# Altium PCB PCB-Tester-Board-V1.PcbDoc (part 4 of 7) (continued)
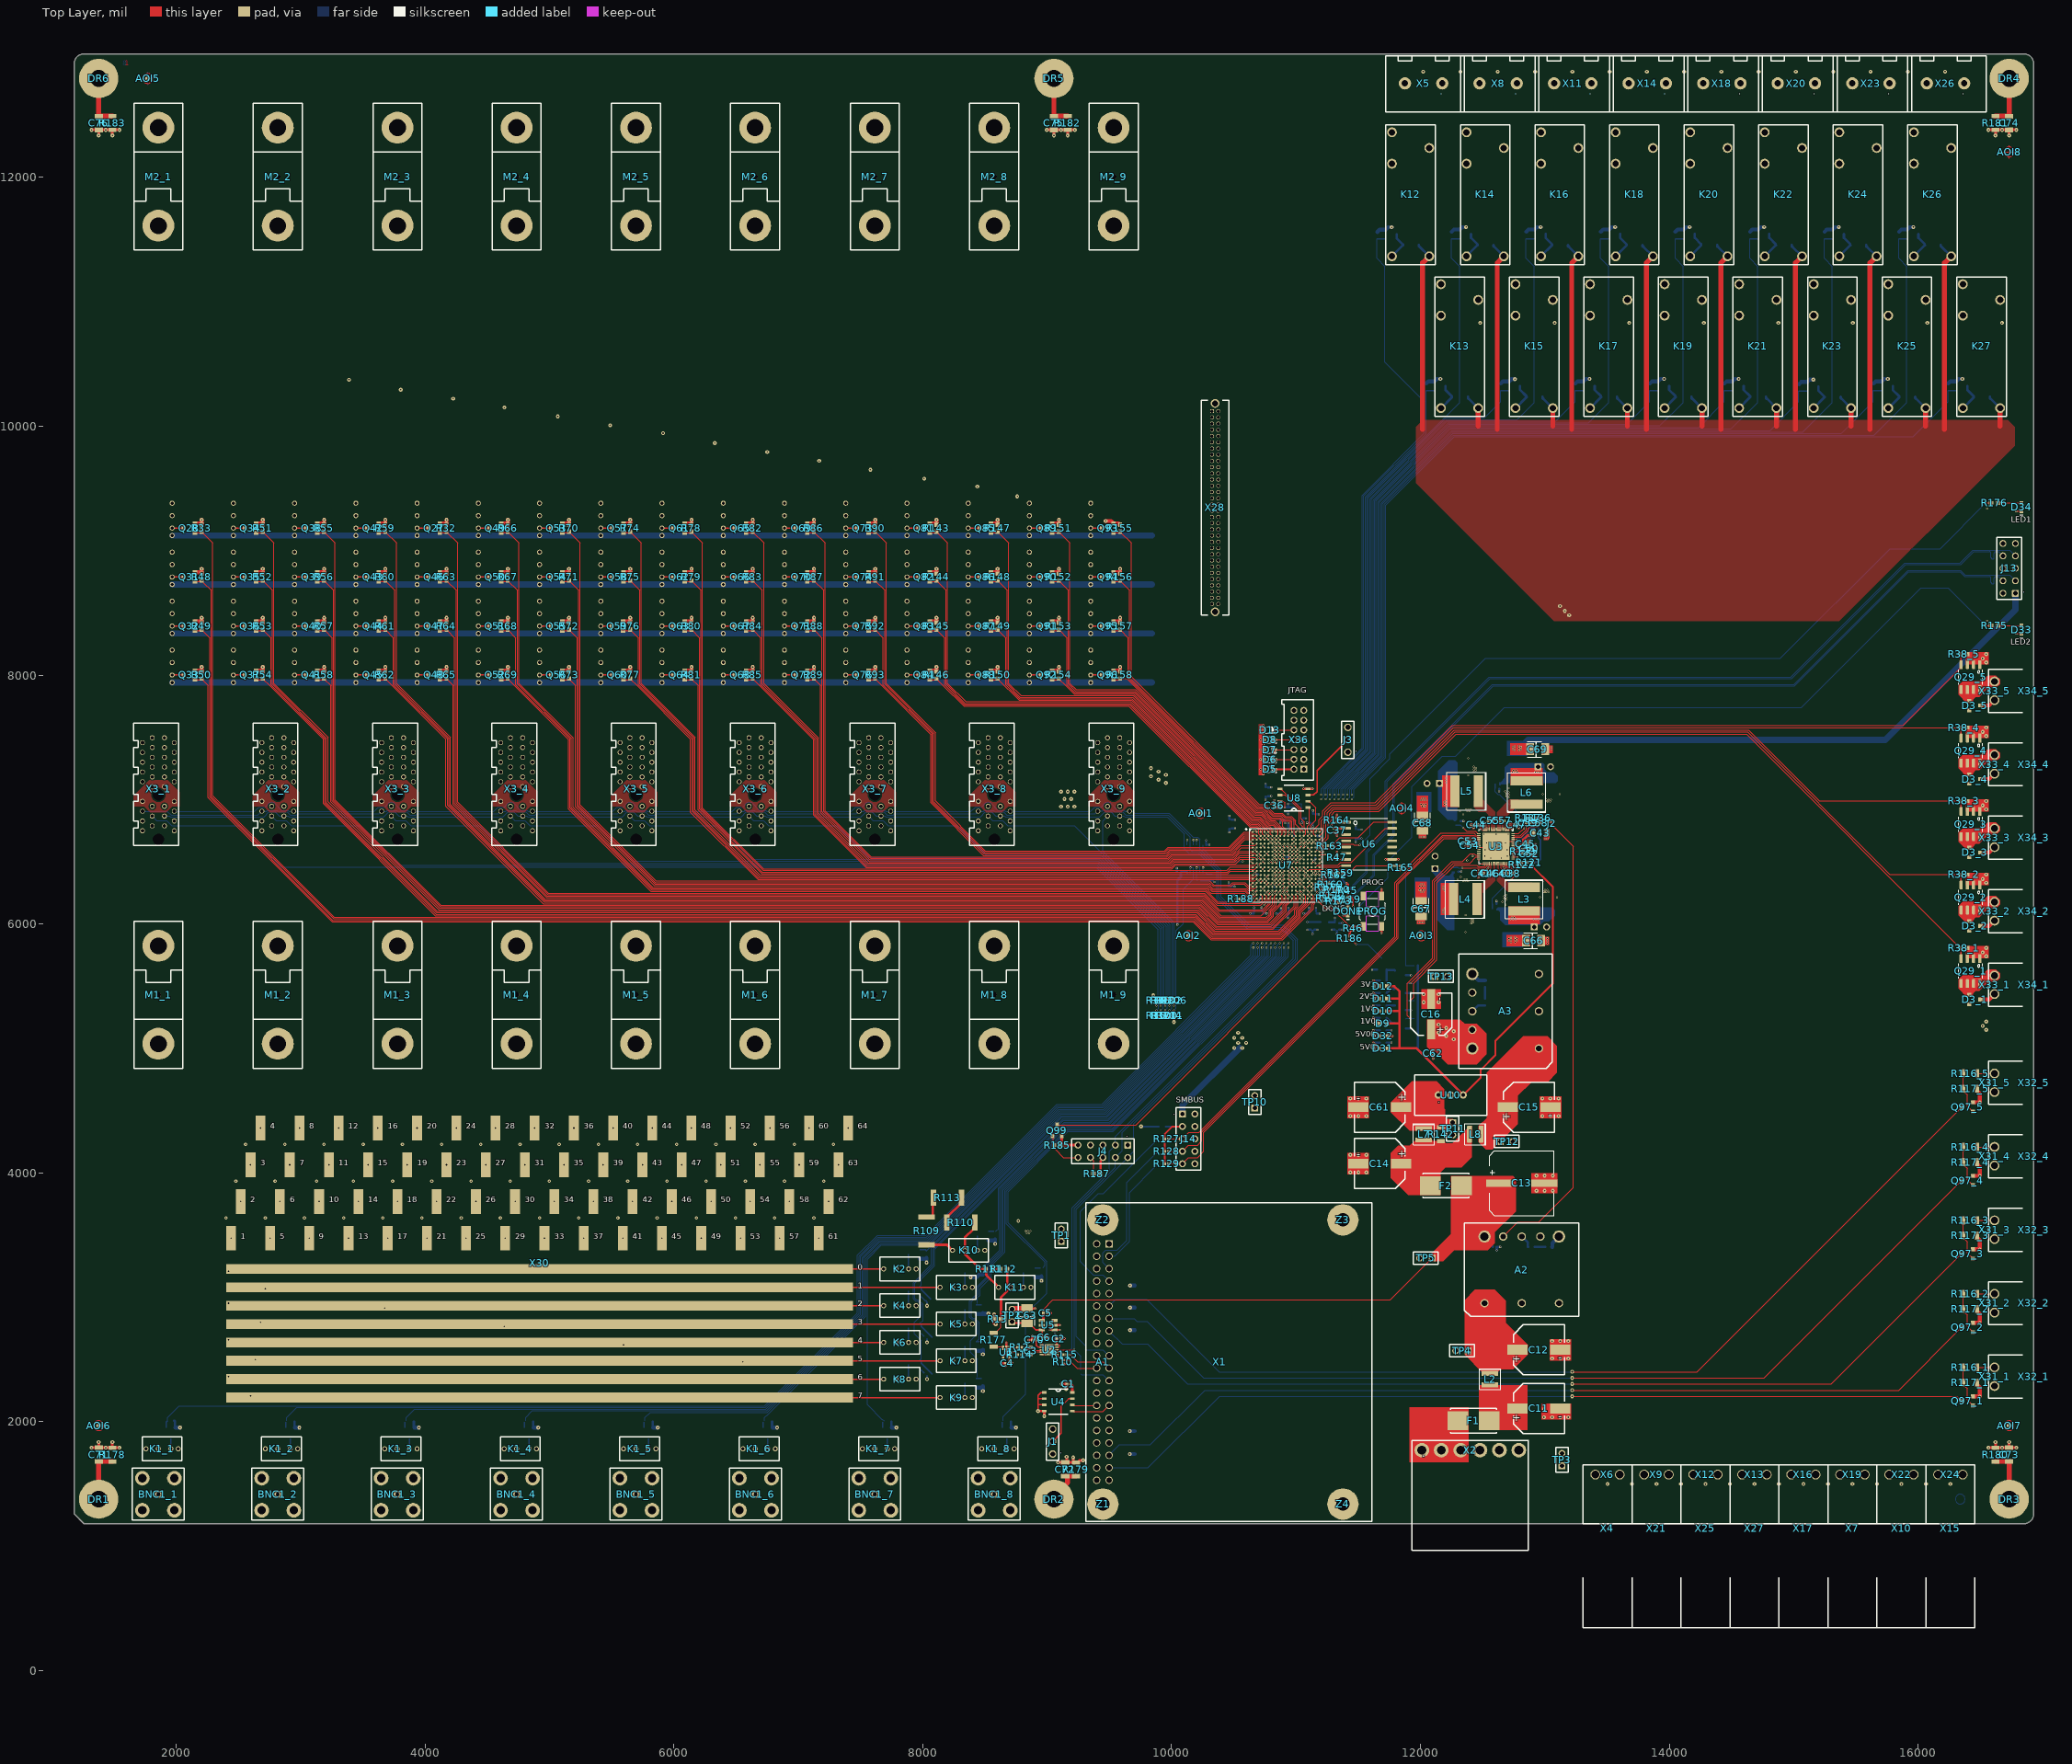
[diagram p0: Top Layer view]
## Nets (pads, with @x,y where several pads share a name; then routed paths per layer and width w, separated by ;. In a path a pad name is that pad's centre, name@x,y a point inside that pad or via, vN(x,y) a via of type N, cw(c..) or ccw(c..) an arc to the next point about the centre after c; other vN are vias at no path point) (continued)
  Bottom Layer w10: R16.2@16239.49,10286.2 Q11.1@16305.92,10286.2
DRV40: Q28.1 R33.2 U7.V15 | length 11651.4
  Top Layer w6: R33.2@2204.72,9154.41 2204.72,9152.44 2294.6,9062.57 2294.6,7029.91 3270.25,6054.26 10186.82,6054.26 10331.93,5909.15 10877.31,5909.15 11027.5,6059.34 11027.5,6098.48 11094.49,6165.46 U7.V15@11094.49,6204.72
  Top Layer w10: Q28.1@2151.57,9144.57 2194.88,9144.57 R33.2@2204.72,9154.41
DRV41: Q31.1 R48.2 U7.V16 | length 11286.8
  Top Layer w6: R48.2@2204.72,8760.71 2204.72,8758.74 2217.47,8745.99 2282.54,8680.93 2282.54,7024.91 3265.26,6042.19 10181.83,6042.19 10326.93,5897.08 10882.31,5897.08 11039.57,6054.34 11039.57,6093.48 11125.98,6179.9 U7.V16@11125.98,6204.72
  Top Layer w10: Q31.1@2151.57,8750.87 R48.2@2194.88,8750.87
DRV42: Q32.1 R49.2 U7.U16 | length 10967.7
  Top Layer w5: 11141.73,6188.98 11141.73,6220.47
  Top Layer w6: R49.2@2204.72,8367.01 2217.47,8354.26 2217.47,8352.24 2270.47,8299.24 2270.47,7019.92 3260.26,6030.13 10176.83,6030.13 10321.94,5885.02 10887.3,5885.02 11127.63,6125.35 11127.63,6160.05 11141.73,6174.15 11141.73,6188.98 ; U7.U16@11125.98,6236.22 11141.73,6220.47
  Top Layer w10: Q32.1@2151.57,8357.17 R49.2@2194.88,8357.17
DRV43: Q33.1 R50.2 U7.V17 | length 10572.4
  Top Layer w6: R50.2@2204.72,7973.31 2217.47,7960.56 2217.47,7958.53 2258.41,7917.59 2258.41,7014.92 3255.26,6018.07 10171.83,6018.07 10316.94,5872.96 10892.3,5872.96 11139.7,6120.36 11139.7,6155.05 11157.48,6172.84 U7.V17@11157.48,6204.72
  Top Layer w10: Q33.1@2151.57,7963.46 R50.2@2194.88,7963.46
DRV44: Q34.1 R51.2 U7.V12 | length 10774.1
  Top Layer w6: R51.2@2696.85,9152.44 2786.72,9062.57 2786.72,7932.58 3220.34,7498.97 3220.34,6981.52 4099.1,6102.75 10206.91,6102.75 10352.02,5957.64 10815.95,5957.64 11000,6141.69 U7.V12@11000,6204.72
  Top Layer w10: Q34.1@2643.7,9144.57 R51.2@2687.01,9144.57
DRV45: Q35.1 R52.2 U7.U12 | length 10480.7
  Top Layer w5: 11015.75,6188.98 11015.75,6220.47
  Top Layer w6: R52.2@2695.74,8759.85 2774.66,8680.93 2774.66,7927.58 3208.27,7493.97 3208.27,6976.52 4094.11,6090.69 10201.91,6090.69 10347.02,5945.58 10862.22,5945.58 10991.07,6074.43 10991.07,6113.57 11015.75,6138.24 11015.75,6188.98 ; U7.U12@11000,6236.22 11015.75,6220.47
  Top Layer w10: Q35.1@2643.7,8750.87 R52.2@2687.01,8750.87
DRV46: Q36.1 R53.2 U7.V14 | length 10096.3
  Top Layer w6: R53.2@2698.33,8363.5 2762.6,8299.24 2762.6,7922.59 3196.21,7488.97 3196.21,6971.52 4089.11,6078.62 10196.92,6078.62 10342.02,5933.51 10867.22,5933.51 11003.14,6069.43 11003.14,6108.57 11064.8,6170.23 11064.8,6202.92 U7.V14@11062.99,6204.72
  Top Layer w10: Q36.1@2643.7,8357.17 R53.2@2687.01,8357.17
DRV47: Q37.1 R54.2 U7.U14 | length 9775.9
  Top Layer w5: 11078.74,6188.98 11078.74,6220.47
  Top Layer w6: R54.2@2698.12,7970.01 2750.54,7917.59 3184.15,7483.98 3184.15,6966.53 4084.11,6066.56 10191.92,6066.56 10337.03,5921.45 10872.21,5921.45 11015.2,6064.44 11015.2,6103.57 11078.74,6167.12 11078.74,6188.98 ; U7.U14@11062.99,6236.22 11078.74,6220.47
  Top Layer w10: Q37.1@2643.7,7963.46 R54.2@2687.01,7963.46
DRV48: Q38.1 R55.2 U7.U9 | length 10447.9
  Top Layer w5: 10921.26,6188.98 10921.26,6220.47
  Top Layer w6: R55.2@3188.98,9152.44 3278.85,9062.57 3278.85,6998.99 4126.6,6151.24 10227,6151.24 10372.1,6006.13 10790.91,6006.13 10899.18,6114.4 10899.18,6155.78 10921.26,6177.85 10921.26,6188.98 ; U7.U9@10905.51,6236.22 10921.26,6220.47
  Top Layer w10: Q38.1@3135.83,9144.57 R55.2@3179.13,9144.57
DRV49: Q39.1 R56.2 U7.V10 | length 10054.3
  Top Layer w6: R56.2@3187.87,8759.85 3266.79,8680.93 3266.79,6993.99 4121.6,6139.18 10222,6139.18 10367.11,5994.07 10795.91,5994.07 10911.24,6109.41 10911.24,6150.78 10937.01,6176.54 U7.V10@10937.01,6204.72
  Top Layer w10: Q39.1@3135.83,8750.87 R56.2@3179.13,8750.87
DRV50: Q40.1 R57.2 U7.V11 | length 9699.9
  Top Layer w6: R57.2@3190.46,8363.5 3254.73,8299.24 3254.73,6989 4116.61,6127.11 10217,6127.11 10362.11,5982.01 10800.9,5982.01 10923.31,6104.41 10923.31,6145.78 10968.5,6190.98 U7.V11@10968.5,6204.72
  Top Layer w10: Q40.1@3135.83,8357.17 R57.2@3179.13,8357.17
DRV51: Q41.1 R58.2 U7.U11 | length 9383.9
  Top Layer w5: 10984.25,6188.98 10984.25,6220.47
  Top Layer w6: R58.2@3190.25,7970.01 3242.66,7917.59 3242.66,6984 4111.61,6115.05 10212.01,6115.05 10357.11,5969.94 10810.86,5969.94 10984.25,6143.34 10984.25,6188.98 ; U7.U11@10968.5,6236.22 10984.25,6220.47
  Top Layer w10: Q41.1@3135.83,7963.46 R58.2@3179.13,7963.46
DRV52: Q42.1 R59.2 U7.U7 | length 9598.9
  Top Layer w5: 10826.77,6188.98 10826.77,6220.47
  Top Layer w6: R59.2@3681.1,9152.44 3770.98,9062.57 3770.98,7932.58 4204.89,7498.66 4204.89,6961.6 4966.76,6199.73 10247.08,6199.73 10392.19,6054.63 10762.03,6054.63 10785.01,6077.6 10785.01,6111.77 10826.77,6153.54 10826.77,6188.98 ; 10826.77,6220.47 U7.U7@10842.52,6236.22
  Top Layer w10: Q42.1@3627.95,9144.57 R59.2@3671.26,9144.57
DRV53: Q43.1 R60.2 U7.V7 | length 9202.4
  Top Layer w6: R60.2@3679.99,8759.85 3758.91,8680.93 3758.91,7927.58 4192.83,7493.66 4192.83,6956.6 4961.77,6187.67 10242.09,6187.67 10387.19,6042.56 10767.02,6042.56 10797.07,6072.61 10797.07,6106.78 10840.58,6150.29 U7.V7@10840.58,6202.73
  Top Layer w10: Q43.1@3627.95,8750.87 R60.2@3671.26,8750.87
DRV54: Q44.1 R61.2 U7.U8 | length 8895.4
  Top Layer w5: 10889.76,6188.98 10889.76,6220.47
  Top Layer w6: R61.2@3682.59,8363.5 3746.85,8299.24 3746.85,7922.59 4180.77,7488.67 4180.77,6951.61 4956.77,6175.61 10237.09,6175.61 10382.2,6030.5 10772.02,6030.5 10809.13,6067.61 10809.13,6101.78 10889.76,6182.41 10889.76,6188.98 ; U7.U8@10874.02,6236.22 10889.76,6220.47
  Top Layer w10: Q44.1@3627.95,8357.17 R61.2@3671.26,8357.17
DRV55: Q45.1 R62.2 U7.V9 | length 8500.4
  Top Layer w6: R62.2@3682.37,7970.01 3734.79,7917.59 4168.71,7483.67 4168.71,6946.61 4951.77,6163.54 10232.09,6163.54 10377.2,6018.44 10777.02,6018.44 10821.19,6062.61 10821.19,6096.78 10905.51,6181.1 U7.V9@10905.51,6204.72
  Top Layer w10: Q45.1@3627.95,7963.46 R62.2@3671.26,7963.46
DRV56: Q27.1 R32.2 U7.V4 | length 9116.9
  Top Layer w6: R32.2@4173.23,9152.44 4263.1,9062.57 4263.1,6977.05 4991.92,6248.22 10267.17,6248.22 10363.96,6151.44 10715.16,6151.44 10748.03,6184.3 U7.V4@10748.03,6204.72
  Top Layer w10: Q27.1@4120.08,9144.57 R32.2@4163.39,9144.57
DRV57: Q46.1 R63.2 U7.V5 | length 8810.3
  Top Layer w6: R63.2@4172.12,8759.85 4251.04,8680.93 4251.04,6972.05 4986.93,6236.16 10262.17,6236.16 10384.16,6114.17 10731.96,6114.17 10779.53,6161.74 U7.V5@10779.53,6204.72
  Top Layer w10: Q46.1@4120.08,8750.87 R63.2@4163.39,8750.87
DRV58: Q47.1 R64.2 U7.U6 | length 8487.4
  Top Layer w5: 10795.28,6188.98 10795.28,6220.47
  Top Layer w6: R64.2@4174.71,8363.5 4238.98,8299.24 4238.98,6967.05 4981.93,6224.1 10257.18,6224.1 10379.16,6102.11 10736.95,6102.11 10795.28,6160.43 10795.28,6188.98 ; 10795.28,6220.47 U7.U6@10811.02,6236.22
  Top Layer w10: Q47.1@4120.08,8357.17 R64.2@4163.39,8357.17
DRV59: Q48.1 R65.2 U7.V6 | length 8112.6
  Top Layer w6: R65.2@4174.5,7970.01 4226.91,7917.59 4226.91,6962.06 4976.93,6212.04 10252.18,6212.04 10397.29,6066.93 10720.47,6066.93 10811.02,6157.48 U7.V6@10811.02,6204.72
  Top Layer w10: Q48.1@4120.08,7963.46 R65.2@4163.39,7963.46
DRV60: Q49.1 R66.2 U7.U2 | length 8273.1
  Top Layer w5: 10637.8,6220.47 10669.29,6220.47
  Top Layer w6: R66.2@4665.35,9152.44 4755.23,9062.57 4755.23,7932.58 5190.21,7497.6 5190.21,6938.99 5832.48,6296.72 10287.25,6296.72 10323.68,6260.29 10590.06,6260.29 10629.87,6220.47 10637.8,6220.47 ; 10669.29,6220.47 U7.U2@10685.04,6236.22
  Top Layer w10: Q49.1@4612.2,9144.57 R66.2@4655.51,9144.57
DRV61: Q50.1 R67.2 U7.V1 | length 7859.5
  Top Layer w6: R67.2@4664.24,8759.85 4743.17,8680.93 4743.17,7927.58 5178.15,7492.6 5178.15,6933.99 5827.48,6284.65 10282.26,6284.65 10318.69,6248.23 10585.06,6248.23 10628.56,6204.72 U7.V1@10653.54,6204.72
  Top Layer w10: Q50.1@4612.2,8750.87 R67.2@4655.51,8750.87
DRV62: Q51.1 R68.2 U7.V2 | length 7526.6
  Top Layer w6: R68.2@4666.84,8363.5 4731.1,8299.24 4731.1,7922.59 5166.08,7487.61 5166.08,6928.99 5822.48,6272.59 10277.26,6272.59 10372.94,6176.91 10657.23,6176.91 U7.V2@10685.04,6204.72
  Top Layer w10: Q51.1@4612.2,8357.17 R68.2@4655.51,8357.17
DRV63: Q52.1 R69.2 U7.U3 | length 7247.7
  Top Layer w5: 10732.28,6188.98 10732.28,6220.47
  Top Layer w6: R69.2@4666.62,7970.01 4719.04,7917.59 5154.02,7482.61 5154.02,6924 5817.49,6260.53 10272.26,6260.53 10367.94,6164.85 10708.16,6164.85 10732.28,6188.98 ; U7.U3@10716.54,6236.22 10732.28,6220.47
  Top Layer w10: Q52.1@4612.2,7963.46 R69.2@4655.51,7963.46
DRV64: Q53.1 R70.2 U7.R1 | length 7972.3
  Top Layer w6: R70.2@5157.48,9152.44 5247.35,9062.57 5247.35,6955.98 5858.12,6345.21 10307.34,6345.21 10339.01,6313.54 10473.24,6313.54 10492.63,6332.93 10588.78,6332.93 10623.77,6297.95 10652.28,6297.95 U7.R1@10653.54,6299.21
  Top Layer w10: Q53.1@5104.33,9144.57 R70.2@5147.64,9144.57
DRV65: Q54.1 R71.2 U7.R2 | length 7633.7
  Top Layer w5: 10637.8,6283.46 10669.29,6283.46
  Top Layer w6: R71.2@5156.37,8759.85 5235.29,8680.93 5235.29,6950.98 5853.13,6333.15 10302.34,6333.15 10334.01,6301.48 10478.23,6301.48 10497.62,6320.87 10583.79,6320.87 10621.2,6283.46 10637.8,6283.46 ; 10669.29,6283.46 U7.R2@10685.04,6299.21
  Top Layer w10: Q54.1@5104.33,8750.87 R71.2@5147.64,8750.87
DRV66: Q55.1 R72.2 U7.T1 | length 7198.7
  Top Layer w6: R72.2@5158.96,8363.5 5223.23,8299.24 5223.23,6945.98 5848.13,6321.08 10297.35,6321.08 10333.78,6284.65 10600.15,6284.65 10617.09,6267.72 U7.T1@10653.54,6267.72
  Top Layer w10: Q55.1@5104.33,8357.17 R72.2@5147.64,8357.17
DRV67: Q56.1 R73.2 U7.U1 | length 6828.3
  Top Layer w6: R73.2@5158.75,7970.01 5211.17,7917.59 5211.17,6940.99 5843.13,6309.02 10292.35,6309.02 10328.78,6272.59 10595.16,6272.59 10631.53,6236.22 U7.U1@10653.54,6236.22
  Top Layer w10: Q56.1@5104.33,7963.46 R73.2@5147.64,7963.46
DRV68: Q57.1 R74.2 U7.M1 | length 7195.3
  Top Layer w6: R74.2@5649.61,9152.44 5739.48,9062.57 5739.48,7932.58 6171.57,7500.49 6171.57,6914.2 6692.06,6393.7 U7.M1@10653.54,6393.7
  Top Layer w10: Q57.1@5596.46,9144.57 R74.2@5639.76,9144.57
DRV69: Q58.1 R75.2 U7.M2 | length 6857.7
  Top Layer w5: 10637.8,6377.95 10669.29,6377.95
  Top Layer w6: R75.2@5648.5,8759.85 5727.42,8680.93 5727.42,7927.58 6159.5,7495.5 6159.5,6909.2 6687.07,6381.64 10634.11,6381.64 10637.8,6377.95 ; 10669.29,6377.95 U7.M2@10685.04,6393.7
  Top Layer w10: Q58.1@5596.46,8750.87 R75.2@5639.76,8750.87
DRV70: Q59.1 R76.2 U7.N1 | length 6438.8
  Top Layer w6: R76.2@5651.09,8363.5 5715.36,8299.24 5715.36,7922.59 6147.44,7490.5 6147.44,6904.2 6682.07,6369.58 10626.39,6369.58 10633.76,6362.2 U7.N1@10653.54,6362.2
  Top Layer w10: Q59.1@5596.46,8357.17 R76.2@5639.76,8357.17
DRV71: Q60.1 R77.2 U7.N2 | length 6099.9
  Top Layer w5: 10637.8,6346.46 10669.29,6346.46
  Top Layer w6: R77.2@5650.88,7970.01 5703.29,7917.59 6135.38,7485.5 6135.38,6899.21 6677.07,6357.51 10618.57,6357.51 10629.63,6346.46 10637.8,6346.46 ; 10669.29,6346.46 U7.N2@10685.04,6362.2
  Top Layer w10: Q60.1@5596.46,7963.46 R77.2@5639.76,7963.46
DRV72: Q61.1 R78.2 U7.J2 | length 6976.6
  Top Layer w5: 10637.8,6472.44 10669.29,6472.44
  Top Layer w6: R78.2@6141.73,9152.44 6231.61,9062.57 6231.61,6931.6 6721.02,6442.19 10003.43,6442.19 10033.67,6472.44 10637.8,6472.44 ; 10669.29,6472.44 U7.J2@10685.04,6488.19
  Top Layer w10: Q61.1@6088.58,9144.57 R78.2@6131.89,9144.57
DRV73: Q62.1 R79.2 U7.K1 | length 6559.9
  Top Layer w6: R79.2@6140.62,8759.85 6219.54,8680.93 6219.54,6926.61 6716.02,6430.13 10444.9,6430.13 10471.47,6456.69 U7.K1@10653.54,6456.69
  Top Layer w10: Q62.1@6088.58,8750.87 R79.2@6131.89,8750.87
DRV74: Q63.1 R80.2 U7.K2 | length 6214
  Top Layer w5: 10637.8,6440.94 10669.29,6440.94
  Top Layer w6: R80.2@6143.22,8363.5 6207.48,8299.24 6207.48,6921.61 6711.02,6418.07 10449.9,6418.07 10472.78,6440.94 10637.8,6440.94 ; 10669.29,6440.94 U7.K2@10685.04,6456.69
  Top Layer w10: Q63.1@6088.58,8357.17 R80.2@6131.89,8357.17
DRV75: Q64.1 R81.2 U7.L1 | length 5796
  Top Layer w6: R81.2@6143,7970.01 6195.42,7917.59 6195.42,6916.61 6706.03,6406 10454.9,6406 10474.09,6425.2 U7.L1@10653.54,6425.2
  Top Layer w10: Q64.1@6088.58,7963.46 R81.2@6131.89,7963.46
DRV76: Q65.1 R82.2 U7.G2 | length 6252.4
  Top Layer w5: 10637.8,6566.93 10669.29,6566.93
  Top Layer w6: R82.2@6633.86,9152.44 6723.73,9062.57 6723.73,7932.58 7160.8,7495.52 7160.8,6888.91 7559.02,6490.68 9983.34,6490.68 10013.59,6520.93 10501.07,6520.93 10547.07,6566.93 10637.8,6566.93 ; 10669.29,6566.93 U7.G2@10685.04,6551.18
  Top Layer w10: Q65.1@6580.71,9144.57 R82.2@6624.02,9144.57
DRV77: Q66.1 R83.2 U7.G1 | length 5835.7
  Top Layer w6: R83.2@6632.75,8759.85 6711.67,8680.93 6711.67,7927.58 7148.73,7490.52 7148.73,6883.91 7554.02,6478.62 9988.34,6478.62 10018.58,6508.87 10506.07,6508.87 10548.38,6551.18 U7.G1@10653.54,6551.18
  Top Layer w10: Q66.1@6580.71,8750.87 R83.2@6624.02,8750.87
DRV78: Q67.1 R84.2 U7.H2 | length 5489.8
  Top Layer w5: 10637.8,6535.43 10669.29,6535.43
  Top Layer w6: R84.2@6635.34,8363.5 6699.61,8299.24 6699.61,7922.59 7136.67,7485.52 7136.67,6878.91 7549.02,6466.56 9993.33,6466.56 10023.58,6496.81 10511.07,6496.81 10549.69,6535.43 10637.8,6535.43 ; 10669.29,6535.43 U7.H2@10685.04,6519.69
  Top Layer w10: Q67.1@6580.71,8357.17 R84.2@6624.02,8357.17
DRV79: Q68.1 R85.2 U7.H1 | length 5073
  Top Layer w6: R85.2@6635.13,7970.01 6687.54,7917.59 7124.61,7480.53 7124.61,6873.92 7544.03,6454.5 9998.33,6454.5 10028.58,6484.74 10516.06,6484.74 10552.49,6521.17 10652.06,6521.17 U7.H1@10653.54,6519.69
  Top Layer w10: Q68.1@6580.71,7963.46 R85.2@6624.02,7963.46
DRV80: Q69.1 R86.2 U7.C1 | length 5973
  Top Layer w6: R86.2@7125.98,9152.44 7215.86,9062.57 7215.86,6909.59 7586.27,6539.18 9963.25,6539.18 9993.5,6569.42 10480.99,6569.42 10590.38,6678.81 10651.9,6678.81 U7.C1@10653.54,6677.17
  Top Layer w10: Q69.1@7072.83,9144.57 R86.2@7116.14,9144.57
DRV81: Q70.1 R87.2 U7.D2 | length 5618
  Top Layer w5: 10637.8,6629.92 10669.29,6629.92
  Top Layer w6: R87.2@7124.87,8759.85 7203.8,8680.93 7203.8,6904.59 7581.28,6527.11 9968.25,6527.11 9998.5,6557.36 10485.98,6557.36 10558.54,6629.92 10637.8,6629.92 ; 10669.29,6629.92 U7.D2@10685.04,6645.67
  Top Layer w10: Q70.1@7072.83,8750.87 R87.2@7116.14,8750.87
DRV82: Q71.1 R88.2 U7.E1 | length 5196
  Top Layer w6: R88.2@7127.47,8363.5 7191.73,8299.24 7191.73,6899.6 7576.28,6515.05 9973.25,6515.05 10003.5,6545.3 10490.98,6545.3 10559.85,6614.17 U7.E1@10653.54,6614.17
  Top Layer w10: Q71.1@7072.83,8357.17 R88.2@7116.14,8357.17
DRV83: Q72.1 R89.2 U7.F1 | length 4809.5
  Top Layer w6: R89.2@7127.25,7970.01 7179.67,7917.59 7179.67,6894.6 7571.28,6502.99 9978.24,6502.99 10008.49,6533.24 10495.98,6533.24 10545.42,6582.68 U7.F1@10653.54,6582.68
  Top Layer w10: Q72.1@7072.83,7963.46 R89.2@7116.14,7963.46
DRV84: Q73.1 R90.2 U7.A1 | length 5188.3
  Top Layer w6: R90.2@7618.11,9152.44 7707.98,9062.57 7707.98,7932.58 8102.2,7538.37 8102.2,6988.48 8503.01,6587.67 9943.17,6587.67 9973.42,6617.92 10460.9,6617.92 10583.14,6740.16 U7.A1@10653.54,6740.16
  Top Layer w10: Q73.1@7564.96,9144.57 R90.2@7608.27,9144.57
DRV85: Q74.1 R91.2 U7.B2 | length 4847.7
  Top Layer w5: 10637.8,6724.41 10669.29,6724.41
  Top Layer w6: R91.2@7617,8759.85 7695.92,8680.93 7695.92,7927.58 8090.13,7533.37 8090.13,6983.48 8498.01,6575.61 9948.16,6575.61 9978.41,6605.85 10465.9,6605.85 10584.45,6724.41 10637.8,6724.41 ; 10669.29,6724.41 U7.B2@10685.04,6708.66
  Top Layer w10: Q74.1@7564.96,8750.87 R91.2@7608.27,8750.87
DRV86: Q75.1 R92.2 U7.B1 | length 4425.7
  Top Layer w6: R92.2@7619.59,8363.5 7683.86,8299.24 7683.86,7922.59 8078.07,7528.37 8078.07,6978.49 8493.01,6563.54 9953.16,6563.54 9983.41,6593.79 10470.9,6593.79 10585.77,6708.66 U7.B1@10653.54,6708.66
  Top Layer w10: Q75.1@7564.96,8357.17 R92.2@7608.27,8357.17
DRV87: Q76.1 R93.2 U7.C2 | length 4083.8
  Top Layer w5: 10637.8,6692.91 10669.29,6692.91
  Top Layer w6: R93.2@7619.38,7970.01 7671.8,7917.59 8066.01,7523.38 8066.01,6973.49 8488.02,6551.48 9958.16,6551.48 9988.41,6581.73 10475.89,6581.73 10587.08,6692.91 10637.8,6692.91 ; 10669.29,6692.91 U7.C2@10685.04,6677.17
  Top Layer w10: Q76.1@7564.96,7963.46 R93.2@7608.27,7963.46
DRV88: Q81.1 R143.2 U7.A4 | length 4353.8
  Top Layer w6: R143.2@8110.24,9152.44 8200.11,9062.57 8200.11,7932.58 8346.07,7786.62 9672.26,7786.62 10644.95,6813.92 10693.95,6813.92 10748.03,6759.84 U7.A4@10748.03,6740.16
  Top Layer w10: Q81.1@8057.09,9144.57 R143.2@8100.39,9144.57
DRV89: Q82.1 R144.2 U7.B4 | length 3993.1
  Top Layer w5: 10732.28,6724.41 10732.28,6755.91
  Top Layer w6: R144.2@8109.13,8759.85 8188.05,8680.93 8188.05,7927.58 8341.08,7774.56 9667.26,7774.56 10639.96,6801.86 10688.96,6801.86 10732.28,6758.53 10732.28,6755.91 ; 10732.28,6724.41 U7.B4@10748.03,6708.66
  Top Layer w10: Q82.1@8057.09,8750.87 R144.2@8100.39,8750.87
DRV90: Q83.1 R145.2 U7.A3 | length 3551.2
  Top Layer w6: R145.2@8111.72,8363.5 8175.98,8299.24 8175.98,7922.59 8336.08,7762.49 9662.26,7762.49 10634.96,6789.79 10683.96,6789.79 10716.54,6757.22 U7.A3@10716.54,6740.16
  Top Layer w10: Q83.1@8057.09,8357.17 R145.2@8100.39,8357.17
DRV91: Q84.1 R146.2 U7.B3 | length 3189.3
  Top Layer w5: 10700.79,6724.41 10700.79,6755.91
  Top Layer w6: R146.2@8111.51,7970.01 8163.92,7917.59 8331.08,7750.43 9657.27,7750.43 10629.97,6777.73 10678.96,6777.73 10700.79,6755.91 ; 10700.79,6724.41 U7.B3@10716.54,6708.66
  Top Layer w10: Q84.1@8057.09,7963.46 R146.2@8100.39,7963.46
DRV92: Q85.1 R147.2 U7.B7 | length 4004.3
  Top Layer w5: 10858.27,6724.41 10858.27,6750.29
  Top Layer w6: R147.2@8602.36,9152.44 8692.24,9062.57 8692.24,7932.58 8789.95,7834.87 9692.24,7834.87 10664.94,6862.17 10713.94,6862.17 10781.79,6794.32 10814.24,6794.32 10858.27,6750.29 ; U7.B7@10842.52,6708.66 10858.27,6724.41
  Top Layer w10: Q85.1@8549.21,9144.57 R147.2@8592.52,9144.57
DRV93: Q86.1 R148.2 U7.A6 | length 3542.5
  Top Layer w6: R148.2@8601.25,8759.85 8680.17,8680.93 8680.17,7927.58 8784.95,7822.81 9687.25,7822.81 10659.94,6850.11 10708.94,6850.11 10776.79,6782.26 10788.58,6782.26 10809.48,6761.36 10809.48,6741.7 U7.A6@10811.02,6740.16
  Top Layer w10: Q86.1@8549.21,8750.87 R148.2@8592.52,8750.87
DRV94: Q87.1 R149.2 U7.B6 | length 3175
  Top Layer w5: 10795.28,6724.41 10795.28,6755.91
  Top Layer w6: R149.2@8603.85,8363.5 8668.11,8299.24 8668.11,7922.59 8779.95,7810.74 9682.25,7810.74 10654.95,6838.04 10703.95,6838.04 10771.8,6770.19 10780.99,6770.19 10795.28,6755.91 ; 10795.28,6724.41 U7.B6@10811.02,6708.66
  Top Layer w10: Q87.1@8549.21,8357.17 R149.2@8592.52,8357.17
DRV95: Q88.1 R150.2 U7.A5 | length 2731.7
  Top Layer w6: R150.2@8603.63,7970.01 8774.96,7798.68 9677.25,7798.68 10649.95,6825.98 10698.95,6825.98 10763.78,6761.15 10763.78,6755.91 U7.A5@10779.53,6740.16
  Top Layer w10: Q88.1@8549.21,7963.46 R150.2@8592.52,7963.46
DRV96: Q89.1 R151.2 U7.B9 | length 3599.2
  Top Layer w5: 10921.26,6724.41 10921.26,6755.91
  Top Layer w6: R151.2@9094.49,9152.44 9184.36,9062.57 9184.36,7932.58 9233.82,7883.12 9712.23,7883.12 10684.93,6910.42 10733.93,6910.42 10801.78,6842.57 10869.93,6842.57 10892.45,6820.04 10892.45,6784.71 10921.26,6755.91 ; U7.B9@10905.51,6708.66 10921.26,6724.41
  Top Layer w10: Q89.1@9041.34,9144.57 R151.2@9084.65,9144.57
DRV97: Q90.1 R152.2 U7.A9 | length 3141.6
  Top Layer w6: R152.2@9093.38,8759.85 9172.3,8680.93 9172.3,7927.58 9228.83,7871.06 9707.23,7871.06 10679.93,6898.36 10728.93,6898.36 10796.78,6830.51 10829.23,6830.51 10905.51,6754.23 U7.A9@10905.51,6740.16
  Top Layer w10: Q90.1@9041.34,8750.87 R152.2@9084.65,8750.87
DRV98: Q91.1 R153.2 U7.B8 | length 2775.6
  Top Layer w5: 10889.76,6724.41 10889.76,6752.91
  Top Layer w6: R153.2@9095.97,8363.5 9160.24,8299.24 9160.24,7922.59 9223.83,7858.99 9702.23,7858.99 10674.93,6886.29 10723.93,6886.29 10791.78,6818.44 10824.23,6818.44 10889.76,6752.91 ; U7.B8@10874.02,6708.66 10889.76,6724.41
  Top Layer w10: Q91.1@9041.34,8357.17 R153.2@9084.65,8357.17
DRV99: Q92.1 R154.2 U7.A8 | length 2337.7
  Top Layer w6: R154.2@9095.76,7970.01 9148.17,7917.59 9218.83,7846.93 9697.24,7846.93 10669.94,6874.23 10718.94,6874.23 10786.79,6806.38 10819.24,6806.38 10873.67,6751.95 10873.67,6740.51 U7.A8@10874.02,6740.16
  Top Layer w10: Q92.1@9041.34,7963.46 R154.2@9084.65,7963.46
DRV100: Q93.1 R155.2 U7.A13 | length 3156.7
  Top Layer w6: R155.2@9586.61,9152.44 9676.49,9062.57 9676.49,7987.1 10704.91,6958.67 10753.91,6958.67 10821.76,6890.82 10889.91,6890.82 10916.49,6864.25 10963.3,6864.25 10997.97,6829.57 10997.97,6801.04 11039.37,6759.65 11039.37,6748.74 11031.5,6740.87 U7.A13@11031.5,6740.16
  Top Layer w10: Q93.1@9533.46,9144.57 R155.2@9576.77,9144.57
DRV101: Q94.1 R156.2 U7.B12 | length 2776.4
  Top Layer w5: 10984.25,6724.41 10984.25,6755.91
  Top Layer w6: R156.2@9585.5,8759.85 9664.43,8680.93 9664.43,7982.1 10699.92,6946.61 10748.92,6946.61 10816.77,6878.76 10884.92,6878.76 10911.49,6852.18 10958.3,6852.18 10984.25,6826.24 10984.25,6755.91 ; 10984.25,6724.41 U7.B12@11000,6708.66
  Top Layer w10: Q94.1@9533.46,8750.87 R156.2@9576.77,8750.87
DRV102: Q95.1 R157.2 U7.A11 | length 2334.5
  Top Layer w6: R157.2@9588.1,8363.5 9652.36,8299.24 9652.36,7977.1 10694.92,6934.54 10743.92,6934.54 10811.77,6866.69 10879.92,6866.69 10906.49,6840.12 10953.31,6840.12 10968.5,6824.93 U7.A11@10968.5,6740.16
  Top Layer w10: Q95.1@9533.46,8357.17 R157.2@9576.77,8357.17
DRV103: Q96.1 R158.2 U7.A10 | length 1978.7
  Top Layer w6: R158.2@9586.61,7973.31 9639.1,7973.31 10689.92,6922.48 10738.92,6922.48 10806.77,6854.63 10874.92,6854.63 10901.5,6828.06 10948.31,6828.06 10956.44,6819.93 10956.44,6759.59 U7.A10@10937.01,6740.16
  Top Layer w10: Q96.1@9533.46,7963.46 R158.2@9576.77,7963.46
ECLK_15: U7.A14 U8.6 | length 399.9
  Top Layer w6: U8.6@10871.25,7036.81 10912.01,7036.81 11025.79,6923.03 11025.79,6810.02 11053.1,6782.71 11053.1,6750.05 U7.A14@11062.99,6740.16
ECS_15: U7.A15 U8.1 | length 209.6
  Top Layer w6: U7.A15@11094.49,6740.16 11094.49,6788.43 11108.53,6802.47 11108.53,6929.81 11101.53,6936.81 U8.1@11097.25,6936.81
ESI_15: U7.B14 U8.5 | length 476.3
  Top Layer w5: 11078.74,6724.41 11078.74,6755.91
  Top Layer w6: U8.5@10871.25,7086.81 10878.25,7079.81 10887.95,7079.81 11041.21,6926.55 11041.21,6845.98 11067.26,6819.93 11067.26,6767.38 11078.74,6755.91 ; U7.B14@11062.99,6708.66 11078.74,6724.41
ESO_15: U7.A16 U8.2 | length 298.4
  Top Layer w6: U8.2@11097.25,6986.81 11104.25,6979.81 11113.92,6979.81 11159.33,6934.4 11159.33,6834.51 11118.09,6793.27 11118.09,6748.74 11125.98,6740.85 U7.A16@11125.98,6740.16
F_CS_15: R184.1 U7.J4 U11.11 | length 677.7
  Top Layer w6: v1(10732.28,6503.94) U7.J4@10748.03,6488.19
  Inner5 w6: v1(10202.76,6453.59) 10234.62,6485.45 10648.53,6485.45 10665.85,6502.77 10731.11,6502.77 v1(10732.28,6503.94)
  Bottom Layer w6: v1(10202.76,6453.59) U11.11@10202.76,6411.42 10202.76,6355.58 R184.1@10207.73,6350.61
F_HS1_15_N: R171.1 U7.M18 | length 129.5
  Top Layer w5.5: U7.M18@11188.98,6393.7 11189.33,6393.7 11197.52,6401.89 11202.08,6401.89 11232.2,6371.77 11232.2,6333.58 11244.24,6321.54 R171.1@11244.24,6306.37
F_HS1_15_P: R169.1 U7.L18 | length 141.8
  Top Layer w5.5: U7.L18@11188.98,6425.2 11188.98,6424.24 11198.82,6414.39 11207.25,6414.39 11244.7,6376.94 11244.7,6338.76 11253.43,6330.03 R169.1@11268.39,6330.03
F_HS2_15_N: R174.1 U7.T18 | length 105.8
  Top Layer w5.5: U7.T18@11188.98,6267.72 11198.47,6277.21 11210.4,6277.21 11256.58,6231.03 R174.1@11256.58,6215.86
F_HS2_15_P: R172.1 U7.R18 | length 116.5
  Top Layer w5.5: U7.R18@11188.98,6299.21 11198.47,6289.71 11215.57,6289.71 11265.77,6239.52 R172.1@11280.73,6239.52
F_MISO_15: U7.J3 U11.9 | length 519.1
  Top Layer w6: v1(10700.79,6472.44) U7.J3@10716.54,6488.19
  Inner5 w6: v1(10253.94,6453.59) 10272.79,6472.44 v1(10700.79,6472.44)
  Bottom Layer w6: U11.9@10253.94,6411.42 v1(10253.94,6453.59)
F_MOSI_15: U7.H4 U11.6 | length 595.2
  Top Layer w6: v1(10732.28,6535.43) U7.H4@10748.03,6519.69
  Inner5 w6: v1(10572.28,6502.91) 10593.97,6524.61 10648.22,6524.61 10656.96,6515.87 10712.72,6515.87 v1(10732.28,6535.43)
  Bottom Layer w6: U11.6@10253.94,6633.86 10253.94,6600.39 10351.42,6502.91 v1(10572.28,6502.91)
F_SCLK_15: U7.G3 U11.3 | length 633.3
  Top Layer w6: v1(10700.79,6566.93) U7.G3@10716.54,6551.18
  Inner5 w6: v1(10177.17,6676.03) 10286.26,6566.93 v1(10700.79,6566.93)
  Bottom Layer w6: U11.3@10177.17,6633.86 v1(10177.17,6676.03)
FPGACLK_15: R43.2 U7.C11 | length 91.4
  Top Layer w6: U7.C11@10968.5,6677.17 v1(10984.25,6692.91)
  Bottom Layer w6: R43.2@10983.64,6761.81 10984.25,6761.19 v1(10984.25,6692.91)
FUN_F_1: J4.8 R187.2 R188.2 X1.38 X3_1.A10 X3_2.A10 X3_3.A10 X3_4.A10 X3_5.A10 X3_6.A10 X3_7.A10 X3_8.A10 X3_9.A10 | length 14901.6
  Top Layer w6: v1(10515.75,6201.24) R188.2@10543.31,6201.24
  Top Layer w8: J4.8@9348.82,4123.23 9374.02,4098.03 R187.2@9374.02,3992.13
  Inner2 w6: X3_1.A10@1985.73,7142.83 2023.62,7180.72 2711.86,7180.72 2750.64,7219.51 2880.74,7219.51 2908.41,7191.84 2908.41,7179.79 X3_2.A10@2945.37,7142.83 2983.27,7180.72 3671.5,7180.72 3710.29,7219.51 3840.38,7219.51 3868.06,7191.84 3868.06,7179.79 X3_3.A10@3905.02,7142.83 ; X3_3.A10@3907.48,7142.83 3945.37,7180.72 4633.61,7180.72 4672.4,7219.51 4802.49,7219.51 4830.17,7191.84 4830.17,7179.79 X3_4.A10@4865.9,7144.06 ; X3_4.A10@4864.67,7142.83 4902.56,7180.72 5590.79,7180.72 5629.58,7219.51 5759.68,7219.51 5787.35,7191.84 5787.35,7179.79 X3_5.A10@5824.31,7142.83 5862.2,7180.72 6550.44,7180.72 6589.23,7219.51 6719.32,7219.51 6747,7191.84 6747,7179.79 X3_6.A10@6782.73,7144.06 ; X3_6.A10@6781.5,7142.83 6819.39,7180.72 7507.62,7180.72 7546.41,7219.51 7676.51,7219.51 7704.18,7191.84 7704.18,7179.79 X3_7.A10@7741.14,7142.83 ; X3_7.A10@7743.6,7142.83 7781.49,7180.72 8469.73,7180.72 8508.52,7219.51 8638.61,7219.51 8666.29,7191.84 8666.29,7179.79 X3_8.A10@8703.25,7142.83 8741.14,7180.72 9429.38,7180.72 9468.16,7219.51 9598.26,7219.51 9625.93,7191.84 9625.93,7179.79 X3_9.A10@9662.91,7142.83 9760.91,7044.84 9760.91,6985.75 10487.11,6259.54 10487.11,6215.96 10501.83,6201.24 v1(10515.75,6201.24) 10515.75,5364.92 9399.06,4248.23 9399.06,4173.47 J4.8@9348.82,4123.23
  Inner5 w8: J4.8@9348.82,4123.23 9348.82,4013.18 9208.41,3872.77 9208.41,2710.22 9267.46,2651.17 9267.46,1761.42 X1.38@9398.57,1630.32
FUNC_15: R188.1 U7.L5 | length 391
  Top Layer w6: R188.1@10574.8,6201.24 v1(10574.8,6228.8) ; U7.L5@10779.53,6425.2 v1(10795.28,6440.94)
  Inner2 w6: v1(10574.8,6228.8) 10574.8,6284.89 10683.47,6393.55 10747.88,6393.55 v1(10795.28,6440.94)